# Altium PCB 6502_carrier_ASCII.PcbDoc (part 1 of 2)
Units mil, origin at the board's own origin, x right, y up, seen from the top; angles counter-clockwise.
Board outline 6960 x 3485 mil, 2 copper layers (Top Layer, Bottom Layer); 111 components, 122 nets, 575 pads, 194 vias.
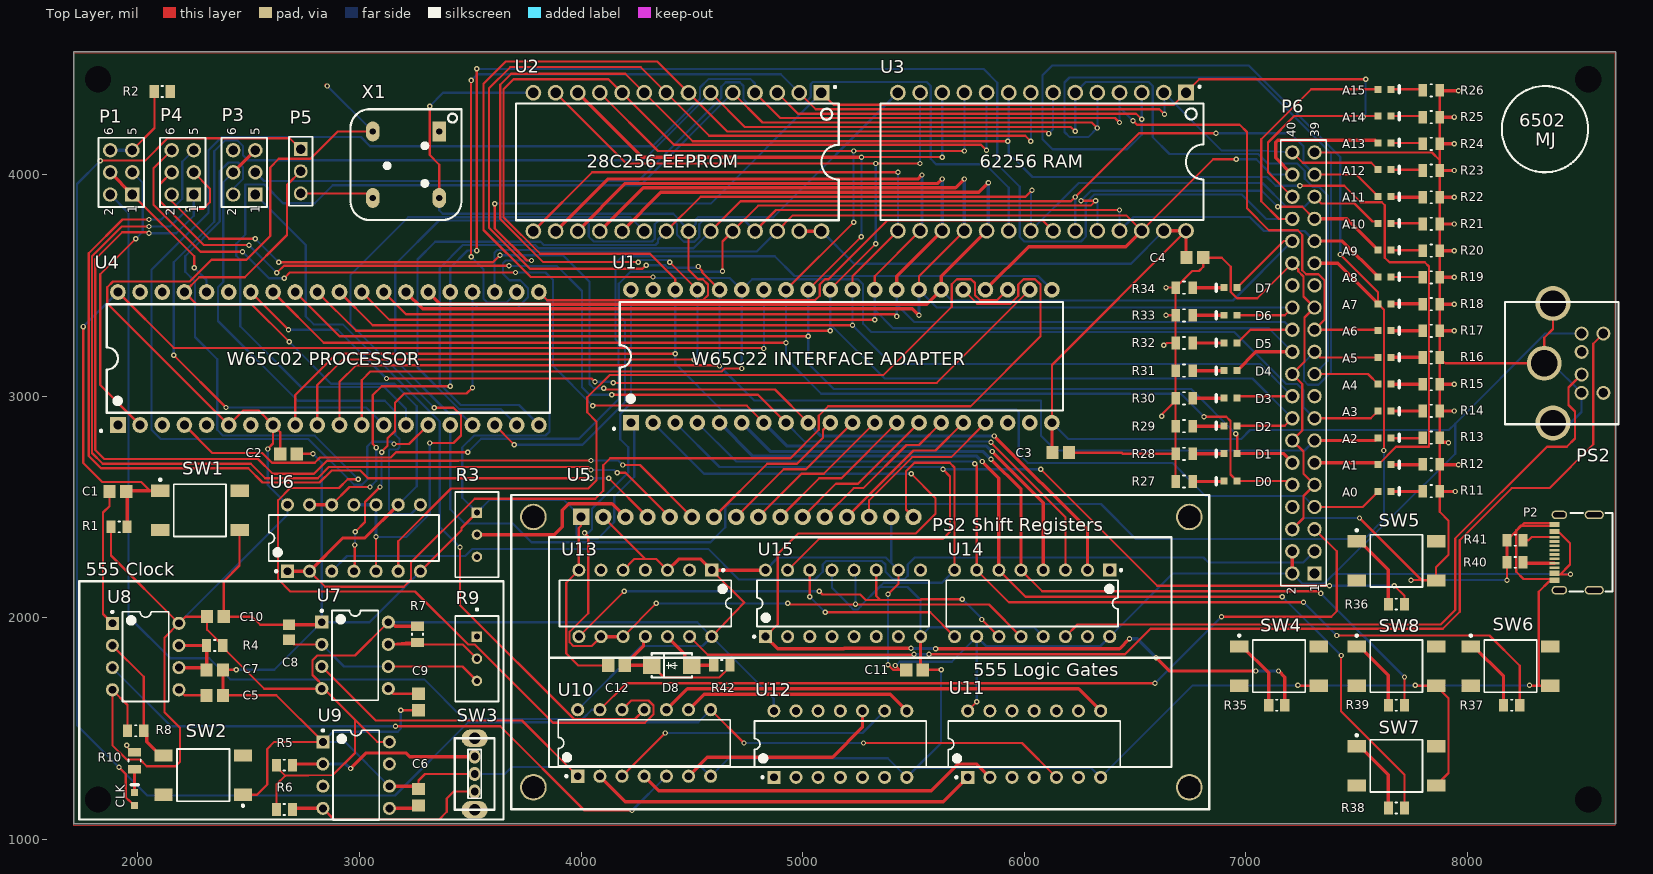
[diagram p0: Top Layer view]
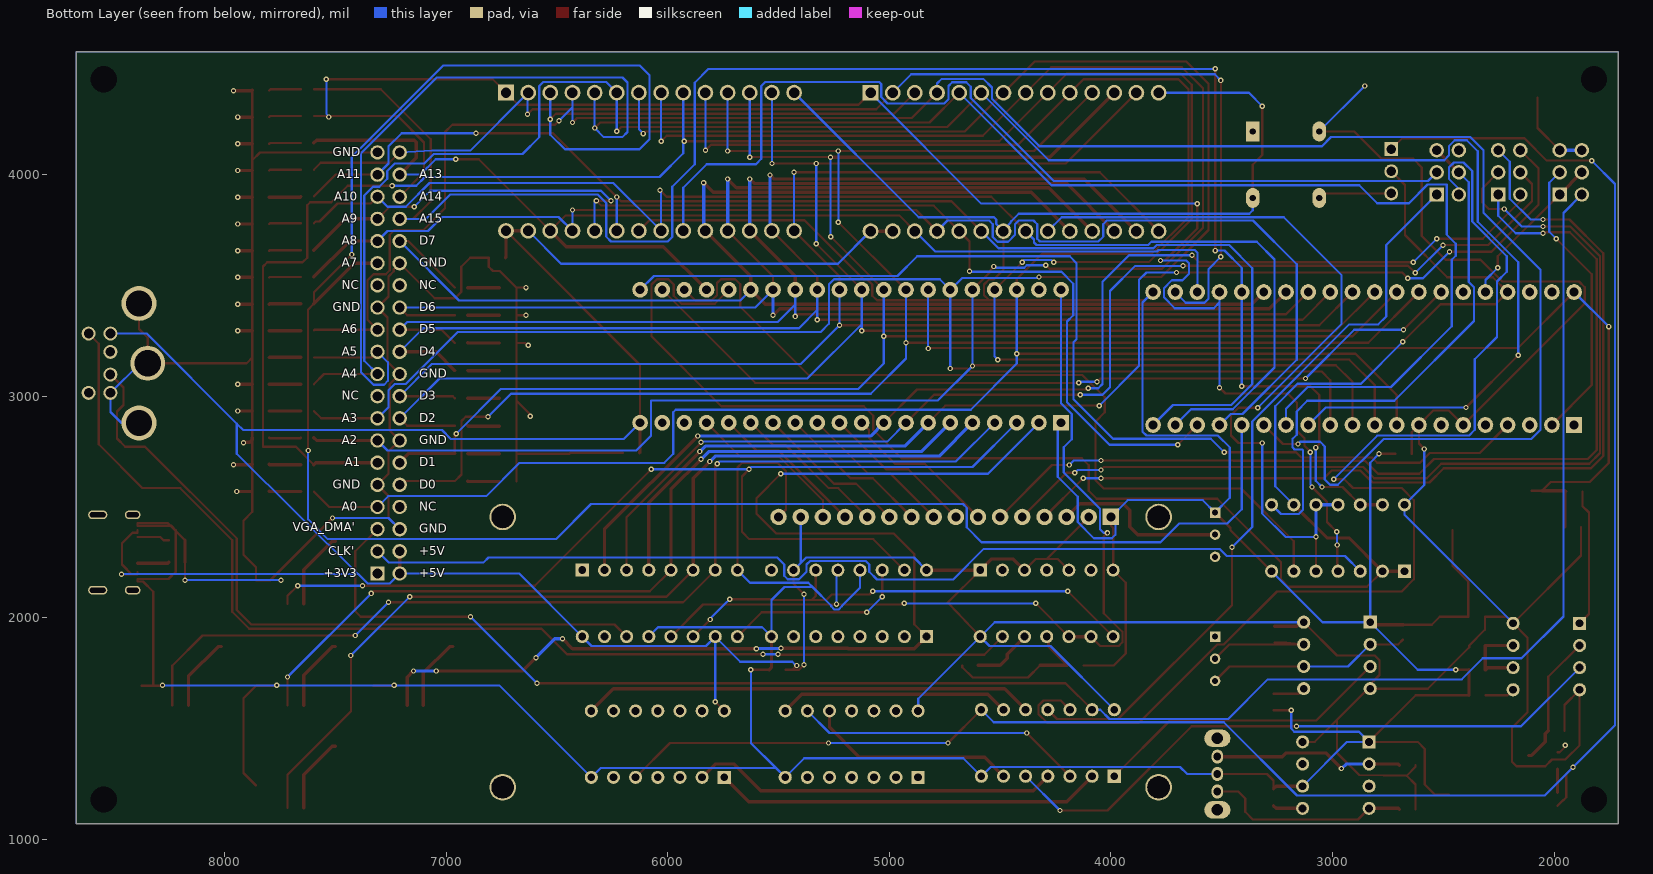
[diagram p1: Bottom Layer view, seen from below]

## Layer stack, top to bottom
Top Solder: solder mask 0.4, Solder Resist, Dk 3.5
Top Layer: signal copper 1.4
Dielectric 1: dielectric 12.6, FR-4, Dk 4.8
Bottom Layer: signal copper 1.4
Bottom Solder: solder mask 0.4, Solder Resist, Dk 3.5

## Board outline
1710,1070 8670,1070 8670,4555 1710,4555

## Design rules (kind name [scope] priority, off if disabled: settings)
AssemblyTestPointUsage [All] p0: scope1count=1 scope1_0_kind=Board scope1_0_value=Board scope2count=1 scope2_0_kind=Board scope2_0_value=Board commentlength=0
AssemblyTestpoint [All] p0: scope1count=1 scope1_0_kind=Board scope1_0_value=Board scope2count=1 scope2_0_kind=Board scope2_0_value=Board commentlength=0
Clearance [All] p0: scope1count=1 scope1_0_kind=Board scope1_0_value=Board scope2count=1 scope2_0_kind=Board scope2_0_value=Board commentlength=0 gap=10
Clearance [All] p1: gap=10 ignorepadtopadclearanceinfootprint=FALSE except(0: Arc-Hole Track-Hole SMDPad-Hole THPad-Hole Via-Hole Fill-Hole Poly-Hole Region-Hole Text-Hole; 5: Arc-Arc Arc-Track Arc-SMDPad Arc-Text Track-Track Track-SMDPad Track-Text SMDPad-SMDPad SMDPad-Text THPad-Text Via-Text Fill-Text Poly-Text Region-Text Text-Text; 7: Arc-THPad Arc-Via Track-THPad Track-Via SMDPad-THPad SMDPad-Via Via-Via)
ComponentClearance [All] p0: scope1count=1 scope1_0_kind=Board scope1_0_value=Board scope2count=1 scope2_0_kind=Board scope2_0_value=Board commentlength=0 gap=10 collisioncheckmode=3
DiffPairsRouting [All] p0: scope1count=1 scope1_0_kind=Board scope1_0_value=Board scope2count=1 scope2_0_kind=Board scope2_0_value=Board commentlength=0
FabricationTestPointUsage [All] p0: scope1count=1 scope1_0_kind=Board scope1_0_value=Board scope2count=1 scope2_0_kind=Board scope2_0_value=Board commentlength=0 valid=0 allowmultiple=FALSE
FabricationTestpoint [All] p0: scope1count=1 scope1_0_kind=Board scope1_0_value=Board scope2count=1 scope2_0_kind=Board scope2_0_value=Board commentlength=0 side=3 testpointundercomponent=TRUE minsize=40 maxsize=100 preferedsize=60 minholesize=0 maxholesize=40 preferedholesize=32 testpointgrid=1
FanoutControl Fanout_BGA [All] p0 off: scope1count=1 scope1_0_kind=Board scope1_0_value=Board scope2count=1 scope2_0_kind=Board scope2_0_value=Board commentlength=69 // Protel DXP Scope 1 Expression Was: IsBGA   Fanout_BGA (Default Rule)
FanoutControl Fanout_LCC [All] p0 off: scope1count=1 scope1_0_kind=Board scope1_0_value=Board scope2count=1 scope2_0_kind=Board scope2_0_value=Board commentlength=69 // Protel DXP Scope 1 Expression Was: IsLCC   Fanout_LCC (Default Rule)
FanoutControl Fanout_SOIC [All] p0 off: scope1count=1 scope1_0_kind=Board scope1_0_value=Board scope2count=1 scope2_0_kind=Board scope2_0_value=Board commentlength=71 // Protel DXP Scope 1 Expression Was: IsSOIC   Fanout_SOIC (Default Rule)
FanoutControl Fanout_Small [All] p0 off: scope1count=1 scope1_0_kind=Board scope1_0_value=Board scope2count=1 scope2_0_kind=Board scope2_0_value=Board commentlength=84 // Protel DXP Scope 1 Expression Was: (CompPinCount < 5)   Fanout_Small (Default Rule)
FanoutControl Fanout_Default [All] p0: scope1count=1 scope1_0_kind=Board scope1_0_value=Board scope2count=1 scope2_0_kind=Board scope2_0_value=Board commentlength=30 // Fanout_Default (Default Rule)
Height [All] p0: scope1count=1 scope1_0_kind=Board scope1_0_value=Board scope2count=1 scope2_0_kind=Board scope2_0_value=Board commentlength=0
HoleSize [All] p0: scope1count=1 scope1_0_kind=Board scope1_0_value=Board scope2count=1 scope2_0_kind=Board scope2_0_value=Board commentlength=0 absolutevalues=TRUE maxlimit=200 minlimit=1 maxpercent=80.000 minpercent=20.000
HoleSize [All] p1: absolutevalues=TRUE maxlimit=200 minlimit=1 maxpercent=80.000 minpercent=20.000
HoleToHoleClearance [All] p0: scope1count=1 scope1_0_kind=Board scope1_0_value=Board scope2count=1 scope2_0_kind=Board scope2_0_value=Board commentlength=0
LayerPairs [All] p0: scope1count=1 scope1_0_kind=Board scope1_0_value=Board scope2count=1 scope2_0_kind=Board scope2_0_value=Board commentlength=0 enforce=TRUE
MinimumSolderMaskSliver [All] p0: scope1count=1 scope1_0_kind=Board scope1_0_value=Board scope2count=1 scope2_0_kind=Board scope2_0_value=Board commentlength=0
MinimumSolderMaskSliver [All] p1: minsoldermaskwidth=4
NetAntennae [All] p0: scope1count=1 scope1_0_kind=Board scope1_0_value=Board scope2count=1 scope2_0_kind=Board scope2_0_value=Board commentlength=0
PasteMaskExpansion [All] p0: scope1count=1 scope1_0_kind=Board scope1_0_value=Board scope2count=1 scope2_0_kind=Board scope2_0_value=Board commentlength=0 expansion=0
PlaneClearance [All] p0: scope1count=1 scope1_0_kind=Board scope1_0_value=Board scope2count=1 scope2_0_kind=Board scope2_0_value=Board commentlength=0 clearance=20
PlaneConnect [All] p0: scope1count=1 scope1_0_kind=Board scope1_0_value=Board scope2count=1 scope2_0_kind=Board scope2_0_value=Board commentlength=0 planeconnectstyle=Relief reliefexpansion=20 reliefentries=4 reliefconductorwidth=10 reliefairgap=10
PolygonConnect [All] p0: scope1count=1 scope1_0_kind=Board scope1_0_value=Board scope2count=1 scope2_0_kind=Board scope2_0_value=Board commentlength=0 connectstyle=Relief reliefconductorwidth=10 reliefentries=4 polygonreliefangle="90 Angle"
PolygonConnect [All] p1: connectstyle=Relief reliefconductorwidth=10 reliefentries=4 polygonreliefangle="90 Angle" airgapwidth=10
RoomDefinition address_LEDs [All] p0: scope1count=1 scope1_0_kind=ComponentClass scope1_0_value=address_LEDs scope2count=1 scope2_0_kind=Board scope2_0_value=Board commentlength=0 region_x1=10000000 region_y1=10050000 region_x2=86700000 region_y2=50100000 confinementstyle=ConfineIn
RoomDefinition config_headers [All] p0: scope1count=1 scope1_0_kind=ComponentClass scope1_0_value=config_headers scope2count=1 scope2_0_kind=Board scope2_0_value=Board commentlength=0 region_x1=13600000 region_y1=18750000 region_x2=74800000 region_y2=49100000 confinementstyle=ConfineIn
RoomDefinition ps2_interface [All] p0: scope1count=1 scope1_0_kind=ComponentClass scope1_0_value=ps2_interface scope2count=1 scope2_0_kind=Board scope2_0_value=Board commentlength=0 region_x1=37750000 region_y1=13650000 region_x2=69900000 region_y2=35200000 confinementstyle=ConfineIn
RoomDefinition 65c02 [All] p0: scope1count=1 scope1_0_kind=ComponentClass scope1_0_value=65c02 scope2count=1 scope2_0_kind=Board scope2_0_value=Board commentlength=0 region_x1=17600000 region_y1=10250000 region_x2=70000000 region_y2=45550000 confinementstyle=ConfineIn
RoomDefinition clock_module [All] p0: scope1count=1 scope1_0_kind=ComponentClass scope1_0_value=clock_module scope2count=1 scope2_0_kind=Board scope2_0_value=Board commentlength=0 region_x1=16350000 region_y1=9900000 region_x2=65050000 region_y2=21400000 confinementstyle=ConfineIn
RoomDefinition address_LEDs [InComponentClass('address_LEDs')] p1: confinementstyle=ConfineIn formatcopy=TRUE lockcomponents=FALSE outline 1000,1005 8670,1005 8670,5010 1000,5010
RoomDefinition config_headers [InComponentClass('config_headers')] p2: confinementstyle=ConfineIn formatcopy=TRUE lockcomponents=FALSE outline 1360,1875 7480,1875 7480,4910 1360,4910
RoomDefinition ps2_interface [InComponentClass('ps2_interface')] p3: confinementstyle=ConfineIn formatcopy=TRUE lockcomponents=FALSE outline 3775,1365 6990,1365 6990,3520 3775,3520
RoomDefinition 65c02 [InComponentClass('65c02')] p4: confinementstyle=ConfineIn formatcopy=TRUE lockcomponents=FALSE outline 1760,1025 7000,1025 7000,4555 1760,4555
RoomDefinition clock_module [InComponentClass('clock_module')] p5: confinementstyle=ConfineIn formatcopy=TRUE lockcomponents=FALSE outline 1635,990 6505,990 6505,2140 1635,2140
RoutingCorners [All] p0: scope1count=1 scope1_0_kind=Board scope1_0_value=Board scope2count=1 scope2_0_kind=Board scope2_0_value=Board commentlength=0 cornerstyle=45-Degree minsetback=100 maxsetback=100
RoutingLayers [All] p0: scope1count=1 scope1_0_kind=Board scope1_0_value=Board scope2count=1 scope2_0_kind=Board scope2_0_value=Board commentlength=0 top layer=Automatic bottom layer=Automatic
RoutingPriority [All] p0: scope1count=1 scope1_0_kind=Board scope1_0_value=Board scope2count=1 scope2_0_kind=Board scope2_0_value=Board commentlength=0
RoutingTopology [All] p0: scope1count=1 scope1_0_kind=Board scope1_0_value=Board scope2count=1 scope2_0_kind=Board scope2_0_value=Board commentlength=0 topology=Shortest
RoutingVias [All] p0: scope1count=1 scope1_0_kind=Board scope1_0_value=Board scope2count=1 scope2_0_kind=Board scope2_0_value=Board commentlength=0 holewidth=12.2 width=24.02 viastyle="Through Hole" minholewidth=12.2 minwidth=24.02 maxholewidth=28 maxwidth=50
RoutingVias [All] p1: holewidth=12.2 width=24.02 viastyle="Through Hole" minholewidth=12.2 minwidth=24.02 maxholewidth=28 maxwidth=50
ShortCircuit [All] p0: scope1count=1 scope1_0_kind=Board scope1_0_value=Board scope2count=1 scope2_0_kind=Board scope2_0_value=Board commentlength=0 allowed=FALSE
SilkToBoardRegionClearance [All] p0: scope1count=1 scope1_0_kind=Board scope1_0_value=Board scope2count=1 scope2_0_kind=Board scope2_0_value=Board commentlength=0
SilkToSilkClearance [All] p0: scope1count=1 scope1_0_kind=Board scope1_0_value=Board scope2count=1 scope2_0_kind=Board scope2_0_value=Board commentlength=0
SilkToSilkClearance [All] p1: silktosilkclearance=4
SilkToSolderMaskClearance [All] p0 off: scope1count=1 scope1_0_kind=Board scope1_0_value=Board scope2count=1 scope2_0_kind=Board scope2_0_value=Board commentlength=44 // Protel DXP Scope 1 Expression Was: IsPad
SilkToSolderMaskClearance [IsPad] p1: minsilkscreentomaskgap=4 clearancetoexposedcopper=TRUE
SolderMaskExpansion SolderMaskExpansion_1 [All] p0 off: scope1count=1 scope1_0_kind=Board scope1_0_value=Board scope2count=1 scope2_0_kind=Board scope2_0_value=Board commentlength=44 expansion=4 // Protel DXP Scope 1 Expression Was: IsVia
SolderMaskExpansion [All] p0: scope1count=1 scope1_0_kind=Board scope1_0_value=Board scope2count=1 scope2_0_kind=Board scope2_0_value=Board commentlength=0 expansion=4
SolderMaskExpansion SolderMaskExpansion_1 [IsVia] p1: expansion=4 istentingtop=TRUE
SolderMaskExpansion [All] p2: expansion=4 istentingtop=FALSE
UnRoutedNet [All] p0: scope1count=1 scope1_0_kind=Board scope1_0_value=Board scope2count=1 scope2_0_kind=Board scope2_0_value=Board commentlength=0
UnpouredPolygon [All] p0: scope1count=1 scope1_0_kind=Board scope1_0_value=Board scope2count=1 scope2_0_kind=Board scope2_0_value=Board commentlength=0
Width [All] p0: scope1count=1 scope1_0_kind=Board scope1_0_value=Board scope2count=1 scope2_0_kind=Board scope2_0_value=Board commentlength=0 maxlimit=30 minlimit=6 preferedwidth=10
Width [All] p1: maxlimit=30 minlimit=6 preferedwidth=10 minimp=50.000000 maximp=50.000000 favimp=50.000000
26 further rules are at their usual default settings.

## Classes and differential pairs
component class ps2_interface: C12 D8 PS2 R42 U13 U14 U15
component class config_headers: P1 P3 P4 P5 P6 R2
component class address_LEDs: A0 A1 A2 A3 A4 A5 A6 A7 A8 A9 A10 A11 A12 A13 A14 A15 D0 D1 D2 D3 D4 D5 D6 D7 P2 R11 R12 R13 R14 R15 R16 R17 R18 R19 R20 R21 R22 R23 R24 R25 R26 R27 R28 R29 R30 R31 R32 R33 R34 R35 R36 R37 R38 R39 R40 R41 SW4 SW5 SW6 SW7 SW8
component class clock_module: C5 C6 C7 C8 C9 C10 C11 R4 R5 R6 R7 R8 R10 SW2 SW3 U7 U8 U9 U10 U11 U12
component class 65c02: C1 C2 C3 C4 R1 R3 SW1 U1 U2 U3 U4 U5 U6 X1

## Components (designator, comment, footprint, x,y, rotation, side; value= is the part's Value field where it differs from the comment)
A0 "19-217/BHC-ZL1M2RY/3T" EVRL-0603-2_V 7626.61,2570 r0 top
A1 "19-217/BHC-ZL1M2RY/3T" EVRL-0603-2_V 7626.61,2691 r0 top
A2 "19-217/BHC-ZL1M2RY/3T" EVRL-0603-2_V 7626.61,2812 r0 top
A3 "19-217/BHC-ZL1M2RY/3T" EVRL-0603-2_V 7626.61,2933 r0 top
A4 "19-217/BHC-ZL1M2RY/3T" EVRL-0603-2_V 7626.61,3054 r0 top
A5 "19-217/BHC-ZL1M2RY/3T" EVRL-0603-2_V 7626.61,3175 r0 top
A6 "19-217/BHC-ZL1M2RY/3T" EVRL-0603-2_V 7626.61,3296 r0 top
A7 "19-217/BHC-ZL1M2RY/3T" EVRL-0603-2_V 7626.61,3417 r0 top
A8 "19-217/BHC-ZL1M2RY/3T" EVRL-0603-2_V 7626.61,3538 r0 top
A9 "19-217/BHC-ZL1M2RY/3T" EVRL-0603-2_V 7626.61,3659 r0 top
A10 "19-217/BHC-ZL1M2RY/3T" EVRL-0603-2_V 7626.61,3780 r0 top
A11 "19-217/BHC-ZL1M2RY/3T" EVRL-0603-2_V 7626.61,3901 r0 top
A12 "19-217/BHC-ZL1M2RY/3T" EVRL-0603-2_V 7626.61,4022 r0 top
A13 "19-217/BHC-ZL1M2RY/3T" EVRL-0603-2_V 7626.61,4143 r0 top
A14 "19-217/BHC-ZL1M2RY/3T" EVRL-0603-2_V 7626.61,4264 r0 top
A15 "19-217/BHC-ZL1M2RY/3T" EVRL-0603-2_V 7626.61,4385 r0 top
C1 "GRM21BR71H104KA01L" CAPC2013X135X45ML10T25 1910,2570 r0 top
C2 "GRM21BR71H104KA01L" CAPC2013X135X45ML10T25 2680,2740 r0 top
C3 "GRM21BR71H104KA01L" CAPC2013X135X45ML10T25 6165,2745 r0 top
C4 "GRM21BR71H104KA01L" CAPC2013X135X45ML10T25 6770,3625 r0 top
C5 "GRM216R71H103KA01D" CAPC2013X70X45ML10T25 2346.61,1650 r180 top
C6 "GRM216R71H103KA01D" CAPC2013X70X45ML10T25 3266.61,1190 r270 top
C7 "GRM21BR71H104KA01L" CAPC2013X135X45ML10T25 2346.61,1765 r0 top
C8 "GRM216R61E105KA12D" CAPC2013X70X45NL10T25 2681.61,1935 r90 top
C9 "GRM216R71H103KA01D" CAPC2013X70X45ML10T25 3266.61,1620 r90 top
C10 "GRM21BR71H104KA01L" CAPC2013X135X45ML10T25 2350,2005 r0 top
C11 "GRM21BR71H104KA01L" CAPC2013X135X45ML10T25 5505,1765 r0 top
C12 "GRM21BR71H104KA01L" CAPC2013X135X45ML10T25 4160,1785 r180 top
CLK "19-217/BHC-ZL1M2RY/3T" EVRL-0603-2_V 1985,1181.61 r90 top (schematic designator DS1)
D0 "19-217/GHC-YR1S2/3T" EVRL-0603-2_V 6931.61,2616.61 r180 top
D1 "19-217/GHC-YR1S2/3T" EVRL-0603-2_V 6931.61,2741.38 r180 top
D2 "19-217/GHC-YR1S2/3T" EVRL-0603-2_V 6931.61,2866.15 r180 top
D3 "19-217/GHC-YR1S2/3T" EVRL-0603-2_V 6931.61,2990.92 r180 top
D4 "19-217/GHC-YR1S2/3T" EVRL-0603-2_V 6931.61,3115.69 r180 top
D5 "19-217/GHC-YR1S2/3T" EVRL-0603-2_V 6931.61,3240.46 r180 top
D6 "19-217/GHC-YR1S2/3T" EVRL-0603-2_V 6931.61,3365.23 r180 top
D7 "19-217/GHC-YR1S2/3T" EVRL-0603-2_V 6931.61,3490 r180 top
D8 "Diode, General Purpose" DO-214AC/SMA 4410,1785 r0 top
P1 "61300621121" 61300621121 1925,4010 r90 top
P2 "USB-310D-B-SU" USB-C-THT 8510,2299.53 r90 top
P3 "61300621121" 61300621121 2480,4010 r90 top
P4 "61300621121" 61300621121 2202.5,4010 r90 top
P5 "61300311121" 61300311121 2735,4015 r270 top
P6 "61304021121" 61304021121 7260,3150 r90 top
PS2 "DS1093-01-PN60" PS2_PORT 8411.7,3148.9 r270 top
R1 "CRCW08051K00FKEA" RESC2013X50X30NL20T20 1915,2410 r0 top
R2 "CRCW08051K00FKEA" RESC2013X50X30NL20T20 2110,4375 r180 top
R3 "3296W-1-103RLF" FP-3296W-MFG#1 3530.2,2375 r180 top
R4 "CRCW08051M00JNEA" RESC2013X50X30NL20T20 2346.61,1875 r180 top
R5 "CRCW08051K00FKEA" RESC2013X50X30NL20T20 2661.61,1335 r180 top
R6 "CRCW08051K00FKEA" RESC2013X50X30NL20T20 2661.61,1135 r180 top
R7 "CRCW08051K00FKEA" RESC2013X50X30NL20T20 3261.61,1925 r270 top
R8 "CRCW08051K00FKEA" RESC2013X50X30NL20T20 1990,1490 r180 top
R9 "3296W-1-105LF" FP-3296W-MFG#2 3530.2,1815 r90 top
R10 "CRCW0805220RFKEA" FP-CRCW0805-e3-MFG 1985,1355 r90 top
R11 "CRCW0805220RFKEA" FP-CRCW0805-e3-MFG 7836.61,2571.62 r0 top
R12 "CRCW0805220RFKEA" FP-CRCW0805-e3-MFG 7836.61,2692.18 r0 top
R13 "CRCW0805220RFKEA" FP-CRCW0805-e3-MFG 7836.61,2812.73 r0 top
R14 "CRCW0805220RFKEA" FP-CRCW0805-e3-MFG 7836.61,2933.29 r0 top
R15 "CRCW0805220RFKEA" FP-CRCW0805-e3-MFG 7836.61,3053.85 r0 top
R16 "CRCW0805220RFKEA" FP-CRCW0805-e3-MFG 7836.61,3174.41 r0 top
R17 "CRCW0805220RFKEA" FP-CRCW0805-e3-MFG 7836.61,3294.97 r0 top
R18 "CRCW0805220RFKEA" FP-CRCW0805-e3-MFG 7836.61,3415.53 r0 top
R19 "CRCW0805220RFKEA" FP-CRCW0805-e3-MFG 7836.61,3536.09 r0 top
R20 "CRCW0805220RFKEA" FP-CRCW0805-e3-MFG 7836.61,3656.65 r0 top
R21 "CRCW0805220RFKEA" FP-CRCW0805-e3-MFG 7836.61,3777.21 r0 top
R22 "CRCW0805220RFKEA" FP-CRCW0805-e3-MFG 7836.61,3897.76 r0 top
R23 "CRCW0805220RFKEA" FP-CRCW0805-e3-MFG 7836.61,4018.32 r0 top
R24 "CRCW0805220RFKEA" FP-CRCW0805-e3-MFG 7836.61,4138.88 r0 top
R25 "CRCW0805220RFKEA" FP-CRCW0805-e3-MFG 7836.61,4259.44 r0 top
R26 "CRCW0805220RFKEA" FP-CRCW0805-e3-MFG 7836.61,4380 r0 top
R27 "CRCW0805220RFKEA" FP-CRCW0805-e3-MFG 6721.61,2615 r180 top
R28 "CRCW0805220RFKEA" FP-CRCW0805-e3-MFG 6721.61,2740 r180 top
R29 "CRCW0805220RFKEA" FP-CRCW0805-e3-MFG 6721.61,2865 r180 top
R30 "CRCW0805220RFKEA" FP-CRCW0805-e3-MFG 6721.61,2990 r180 top
R31 "CRCW0805220RFKEA" FP-CRCW0805-e3-MFG 6721.61,3115 r180 top
R32 "CRCW0805220RFKEA" FP-CRCW0805-e3-MFG 6721.61,3240 r180 top
R33 "CRCW0805220RFKEA" FP-CRCW0805-e3-MFG 6721.61,3365 r180 top
R34 "CRCW0805220RFKEA" FP-CRCW0805-e3-MFG 6721.61,3490 r180 top
R35 "CRCW08051K00FKEA" RESC2013X50X30NL20T20 7139.53,1605 r180 top
R36 "CRCW08051K00FKEA" RESC2013X50X30NL20T20 7679.53,2061.77 r180 top
R37 "CRCW08051K00FKEA" RESC2013X50X30NL20T20 8199.53,1605 r180 top
R38 "CRCW08051K00FKEA" RESC2013X50X30NL20T20 7679.53,1141.77 r180 top
R39 "CRCW08051K00FKEA" RESC2013X50X30NL20T20 7679.53,1605 r180 top
R40 "0805W8F5101T5E" RESC2013X50X30NL20T20 8215,2250 r0 top
R41 "0805W8F5101T5E" RESC2013X50X30NL20T20 8215,2350 r0 top
R42 "0805W8F3302T5E" RESC2013X50X30NL20T20 4635,1785 r0 top
SW1 "K2-1102SP-C4SC-04" TECO-FSM4JSMA_V 2280,2485 r90 top
SW2 "K2-1102SP-C4SC-04" TECO-FSM4JSMA_V 2295,1290 r270 top
SW3 "SS-12D02-VG4" 5_2-54mm_SPDT 3520,1295 r270 top
SW4 "K2-1102SP-C4SC-04" TECO-FSM4JSMA_V 7149.53,1781.77 r90 top
SW5 "K2-1102SP-C4SC-04" TECO-FSM4JSMA_V 7679.53,2256.77 r90 top
SW6 "K2-1102SP-C4SC-04" TECO-FSM4JSMA_V 8194.53,1781.77 r90 top
SW7 "K2-1102SP-C4SC-04" TECO-FSM4JSMA_V 7679.53,1331.77 r90 top
SW8 "K2-1102SP-C4SC-04" TECO-FSM4JSMA_V 7679.53,1781.77 r90 top
U1 "WD65C22 I/O Controller" PDIP_40 5173.82,3193.39 r0 top
U2 "AT28C256" DIP_28 4456.18,4065.45 r180 top
U3 "62256" DIP_28 6101.18,4066.47 r180 top
U4 "6502 Processor" PDIP_40 2858.82,3183.39 r0 top
U5 "2X16 LCD Display" LCD_2x16 5225,1775 r0 top
U6 "74HC00N" NXP-SOT27-1-14 2975,2360 r90 top
U7 "LM555CN" N08E 2980,1830 r0 top
U8 "LM555CN" N08E 2035,1825 r0 top
U9 "LM555CN" N08E 2985,1290 r0 top
U10 "SN74LS08N" N0014A 4285,1435 r90 top
U11 "SN74LS04N" N0014A 6045,1430 r90 top
U12 "SN74LS32N" N0014A 5170,1430 r90 top
U13 "SN74HC14N" N0014A 4290,2065 r270 top
U14 "SN74HC595N" N0016A 6035.71,2065 r270 top
U15 "SN74HC595N" N0016A 5182.15,2065 r90 top
X1 "OSC-12.9MM-1MHZ" OSC_THT_12-9MM 3205,4040 r180 top

## Footprints (in the part's own frame and the unit in brackets; to place one, negate y for a bottom-side part, rotate by r counter-clockwise, add the part's x,y. Pads: shape width x height; smd on the part's side, far side on the other; paste and mask are expansions set on the pad)
5_2-54mm_SPDT [mm]
  oval 1.6x1.3 hole 0.9: 1(-1.993,0) 2(0,0) 3(2.007,0)
  oval 2x3 hole 1.3: 4(4.107,0) 5(-4.093,0)
  silkscreen extent -4.09,-2.29 4.11,2.29
61300311121 [mm] "Pin Header, pitch 2.54 mm, THT, Vertical, single row, 3p"
  rect 1.6x1.6 hole 1.1: 1(-2.54,0)
  round 1.6 hole 1.1: 2(0,0) 3(2.54,0)
  silkscreen extent -3.96,-1.34 3.96,1.34
61300621121 [mm] "Pin Header, pitch 2.54 mm, THT, Vertical, dual row, 6p"
  rect 1.65x1.65 hole 1.1: 1(-2.54,-1.27)
  round 1.65 hole 1.1: 2(-2.54,1.27) 3(0,-1.27) 4(0,1.27) 5(2.54,-1.27) 6(2.54,1.27)
  silkscreen extent -3.96,-2.61 3.96,2.61
61304021121 [mm] "Pin Header, pitch 2.54 mm, THT, Vertical, dual row, 40p"
  rect 1.65x1.65 hole 1.1: 1(-24.13,-1.27)
  round 1.65 hole 1.1: 2(-24.13,1.27) 3(-21.59,-1.27) 4(-21.59,1.27) 5(-19.05,-1.27) 6(-19.05,1.27) 7(-16.51,-1.27) 8(-16.51,1.27) 9(-13.97,-1.27) 10(-13.97,1.27) 11(-11.43,-1.27) 12(-11.43,1.27) 13(-8.89,-1.27) 14(-8.89,1.27) 15(-6.35,-1.27) 16(-6.35,1.27) 17(-3.81,-1.27) 18(-3.81,1.27) 19(-1.27,-1.27) 20(-1.27,1.27) 21(1.27,-1.27) 22(1.27,1.27) 23(3.81,-1.27) 24(3.81,1.27) 25(6.35,-1.27) 26(6.35,1.27) 27(8.89,-1.27) 28(8.89,1.27) 29(11.43,-1.27) 30(11.43,1.27) 31(13.97,-1.27) 32(13.97,1.27) 33(16.51,-1.27) 34(16.51,1.27) 35(19.05,-1.27) 36(19.05,1.27) 37(21.59,-1.27) 38(21.59,1.27) 39(24.13,-1.27) 40(24.13,1.27)
  silkscreen extent -25.55,-2.61 25.55,2.61
CAPC2013X70X45ML10T25 [mm] "Chip Capacitor, 2-Leads, Body 2.00x1.25mm, IPC Low Density"
  rect 1.4x1.5 smd: 1(-0.95,0) 2(0.95,0)
CAPC2013X70X45NL10T25 [mm] "Chip Capacitor, 2-Leads, Body 2.00x1.25mm, IPC Medium Density"
  rect 1.2x1.4 smd: 1(-0.85,0) 2(0.85,0)
CAPC2013X135X45ML10T25 [mm] "Chip Capacitor, 2-Leads, Body 2.10x1.35mm, IPC Low Density"
  rect 1.4x1.5 smd: 1(-0.95,0) 2(0.95,0)
DIP_28 [mm]
  rect 1.8x1.8 hole 1.2: 1(-15.972,-7.71)
  round 1.8 hole 1.2: 2(-13.432,-7.71) 3(-10.892,-7.71) 4(-8.352,-7.71) 5(-5.812,-7.71) 6(-3.272,-7.71) 7(-0.732,-7.71) 8(1.808,-7.71) 9(4.348,-7.71) 10(6.888,-7.71) 11(9.428,-7.71) 12(11.968,-7.71) 13(14.508,-7.71) 14(17.048,-7.71) 15(17.048,8.139) 16(14.508,8.139) 17(11.968,8.139) 18(9.428,8.139) 19(6.888,8.139) 20(4.348,8.139) 21(1.808,8.139) 22(-0.732,8.139) 23(-3.272,8.139) 24(-5.812,8.139) 25(-8.352,8.139) 26(-10.892,8.139) 27(-13.432,8.139) 28(-15.972,8.139)
  silkscreen extent -17.96,-8.51 19.04,6.91
DO-214AC/SMA [mm]
  rect 2x2 smd: 1(-2.302,0.003) 2(2.298,0.003)
  silkscreen extent -2.3,-1.4 2.3,1.4
EVRL-0603-2_V [mm] "SMD, 2-Leads, Body 1.6x0.8mm"
  rect 0.8x0.8 smd: 1(-0.75,0) 2(0.75,0)
  silkscreen extent 1.65,-0.4 1.65,0.4
FP-3296W-MFG#1 [mm]
  rect 1.2x1.2 hole 0.7 paste-1000 mask+0: 1(0.005,-2.54)
  round 1.2 hole 0.7 paste-1000 mask+0: 2(0.005,0) 3(0.005,2.54)
  silkscreen extent -2.48,-4.89 2.48,4.89
FP-3296W-MFG#2 [mm]
  rect 1.2x1.2 hole 0.7 paste-1000 mask+0: 1(2.54,0.005)
  round 1.2 hole 0.7 paste-1000 mask+0: 2(0,0.005) 3(-2.54,0.005)
  silkscreen extent -4.89,-2.48 5.77,2.48
FP-CRCW0805-e3-MFG [mm]
  rect 0.95x1.45 smd paste+0 mask+0: 1(-0.975,0) 2(0.975,0)
  silkscreen extent -0.13,-0.7 0.13,0.7
LCD_2x16 [mil]
  round 120 hole 100 slot 100.2 at 0 deg: 0(-1440,-540) 0(-1440,680) 0(1520,-540) 0(1520,680)
  rect 74x74 hole 40: 1(-1225,680)
  round 74 hole 40: 2(-1125,680) 3(-1025,680) 4(-925,680) 5(-825,680) 6(-725,680) 7(-625,680) 8(-525,680) 9(-425,680) 10(-325,680) 11(-225,680) 12(-125,680) 13(-25,680) 14(75,680) 15(175,680) 16(275,680)
  silkscreen extent -1540,-639 1610,779
N08E [mm] "DIP, 8-Pin, Row Spacing 7.62 mm, Pitch 2.54 mm"
  rect 1.5x1.5 hole 0.9: 1(-3.81,3.81)
  round 1.5 hole 0.9: 2(-3.81,1.27) 3(-3.81,-1.27) 4(-3.81,-3.81) 5(3.81,-3.81) 6(3.81,-1.27) 7(3.81,1.27) 8(3.81,3.81)
  silkscreen extent -3.93,-5.15 2.65,5.23
N0014A [mm] "DIP, 14-Leads, Body 19.7x6.6mm, Pitch 2.54mm"
  rect 1.5x1.5 hole 0.9: 1(-3.81,7.62)
  round 1.5 hole 0.9: 2(-3.81,5.08) 3(-3.81,2.54) 4(-3.81,0) 5(-3.81,-2.54) 6(-3.81,-5.08) 7(-3.81,-7.62) 8(3.81,-7.62) 9(3.81,-5.08) 10(3.81,-2.54) 11(3.81,0) 12(3.81,2.54) 13(3.81,5.08) 14(3.81,7.62)
  silkscreen extent -3.93,-9.85 2.65,9.85
N0016A [mm] "DIP, 16-Leads, Body 19.7x6.6mm, Pitch 2.54mm"
  rect 1.5x1.5 hole 0.9: 1(-3.81,8.89)
  round 1.5 hole 0.9: 2(-3.81,6.35) 3(-3.81,3.81) 4(-3.81,1.27) 5(-3.81,-1.27) 6(-3.81,-3.81) 7(-3.81,-6.35) 8(-3.81,-8.89) 9(3.81,-8.89) 10(3.81,-6.35) 11(3.81,-3.81) 12(3.81,-1.27) 13(3.81,1.27) 14(3.81,3.81) 15(3.81,6.35) 16(3.81,8.89)
  silkscreen extent -3.93,-9.85 2.65,10.32
NXP-SOT27-1-14 [mm] "DIP, 14-Leads, Body 19.5x6.5mm, Pitch 2.54mm"
  rect 1.5x1.5 hole 0.9: 1(-3.81,7.62)
  round 1.5 hole 0.9: 2(-3.81,5.08) 3(-3.81,2.54) 4(-3.81,0) 5(-3.81,-2.54) 6(-3.81,-5.08) 7(-3.81,-7.62) 8(3.81,-7.62) 9(3.81,-5.08) 10(3.81,-2.54) 11(3.81,0) 12(3.81,2.54) 13(3.81,5.08) 14(3.81,7.62)
  silkscreen extent -3.93,-9.75 2.65,9.75
OSC_THT_12-9MM [mil]
  rect 62x90 hole 27.56: 1(-155,-155)
  oval 62x90 hole 27.56: 2(145,-155) 3(145,145) 4(-155,145)
  silkscreen extent -255,-255 245,245
PDIP_40 [mm]
  rect 1.8x1.8 hole 1: 1(-24.1,-7.96)
  round 1.8 hole 1: 2(-21.56,-7.96) 3(-19.02,-7.96) 4(-16.48,-7.96) 5(-13.94,-7.96) 6(-11.4,-7.96) 7(-8.86,-7.96) 8(-6.32,-7.96) 9(-3.78,-7.96) 10(-1.24,-7.96) 11(1.3,-7.96) 12(3.84,-7.96) 13(6.38,-7.96) 14(8.92,-7.96) 15(11.46,-7.96) 16(14,-7.96) 17(16.54,-7.96) 18(19.08,-7.96) 19(21.62,-7.96) 20(24.16,-7.96) 21(24.16,7.28) 22(21.62,7.28) 23(19.08,7.28) 24(16.54,7.28) 25(14,7.28) 26(11.46,7.28) 27(8.92,7.28) 28(6.38,7.28) 29(3.84,7.28) 30(1.3,7.28) 31(-1.24,7.28) 32(-3.78,7.28) 33(-6.32,7.28) 34(-8.86,7.28) 35(-11.4,7.28) 36(-13.94,7.28) 37(-16.48,7.28) 38(-19.02,7.28) 39(-21.56,7.28) 40(-24.1,7.28)
  silkscreen extent -26.16,-8.76 25.43,5.88
PS2_PORT [mm]
  round 1.6 hole 1.1: 1(1.3,2.629) 2(-1.3,2.629) 3(3.401,2.624) 4(-3.401,2.624) 5(3.399,5.128) 6(-3.401,5.128)
  round 4 hole 3: 7(0,-1.651) 8(-6.85,-0.653) 9(6.85,-0.653)
  silkscreen extent -7,-6.15 7,6.85
RESC2013X50X30NL20T20 [mm] "Chip Resistor, 2-Leads, Body 2.00x1.25mm, IPC Medium Density"
  rect 1.05x1.45 smd: 1(-0.925,0) 2(0.925,0)
  silkscreen extent -0.1,-0.62 0.1,0.62
TECO-FSM4JSMA_V [mm] "SMD, 4-Leads, Body 6x6mm, Pitch 4.5mm"
  rect 1.4x2.1 smd: 1(2.25,4.55) 2(2.25,-4.55) 3(-2.25,4.55) 4(-2.25,-4.55)
  silkscreen extent -3,-3 3.62,4.67
USB-C-THT [mm]
  oval 1x1.8 hole 0.6 slot 1.4 at 90 deg: 13(4.195,2.413) 16(-4.445,2.413)
  oval 1x2.2 hole 0.6 slot 1.8 at 90 deg: 14(4.195,-1.587) 15(-4.445,-1.587)
  rect 0.3x1.15 smd: A1(-3.46,2.988) A1(-3.16,2.988) A4(-2.66,2.988) A4(-2.36,2.988) A5(-1.36,2.988) A6(-0.36,2.988) A6(0.64,2.988) A7(-0.86,2.988) A7(0.14,2.988) A8(1.14,2.988) A9(2.14,2.988) A9(2.44,2.988) A12(2.94,2.988) A12(3.24,2.988) B5(1.64,2.988) B8(-1.86,2.988)
  silkscreen extent -4.61,-3.69 4.39,1.26

## Part data
A0 A1 A2 A3 A4 A5 A6 A7 A8 A9 A10 A11 A12 A13 A14 A15 CLK: library part CMP-2100-03577-1, "Chip LED, Blue, 5 V, 25 mA, -40 to 85 degC, 2-Pin SMD (0603), RoHS, Tape and Reel"
C1 C2 C3 C4 C7 C10 C11 C12: library part CMP-2100-03644-1, "Chip Capacitor, 0.1 uF, +/- 10%, 50 V, -55 to 125 degC, 0805 (2012 Metric), RoHS, Tape and Reel"
C5 C6 C9: library part CMP-2000-05013-1, "Chip Capacitor, 10 nF, +/- 10%, 50 V, -55 to 125 degC, 0805 (2012 Metric), RoHS, Tape and Reel"
C8: library part CMP-2007-00957-1
D0 D1 D2 D3 D4 D5 D6 D7: library part CMP-2100-03580-1, "Green 520~535nm 0603 Light Emitting Diodes (LED) RoHS"
D8: library part C95872, "General Purpose Diode, SMT, DO-214"
P1 P3 P4: library part CMP-1502-01072-1, "THT Vertical Pin Header WR-PHD, Pitch 2.54 mm, Dual Row, 6 pins"
P2: "USB Type C Receptacle"
P5: library part CMP-1502-01062-1, "THT Vertical Pin Header WR-PHD, Pitch 2.54 mm, Single Row, 3 pins"
P6: library part CMP-1502-01135-1, "THT Vertical Pin Header WR-PHD, Pitch 2.54 mm, Dual Row, 40 pins"
PS2: library part PS2_CONN, "PS2 Port"
R1 R2 R5 R6 R7 R8 R35 R36 R37 R38 R39: library part CMP-1013-00510-2
R3: library part CMP-07234-000024-1, "TRIMMER 10K OHM 0.5W PC PIN TOP"
R4: library part CMP-2001-03632-1
R9: library part CMP-2000-05583-2, "TRIMMER 1M OHM 0.5W PC PIN TOP"
R10 R11 R12 R13 R14 R15 R16 R17 R18 R19 R20 R21 R22 R23 R24 R25 R26 R27 R28 R29 R30 R31 R32 R33 R34: library part CMP-2001-03682-2, "RES Thick Film, 220O, 1%, 0.125W, 100ppm/°C, 0805"
R40 R41: library part CMP-1013-00510-2, "5.1kO ±1% 0.125W ±100ppm/? 0805 Chip Resistor - Surface Mount RoHS"
R42: library part CMP-1013-00510-2, "33K, 0805 Chip Resistor, UniOhm"
SW1 SW2 SW4 SW5 SW6 SW7 SW8: library part CMP-2000-05602-2, "Swicth, SPST, 24 V, -35 to 85 degC, 4-Pin SMD, RoHS, Tape and Reel"
SW3: "SPDT, Korean Hroparts Elec SS-12D02-VG4"
U1: library part WD65C22, "WD65C22 PDIP-40, I/O Controller"
U2: "Paged Parallel EEPROM AT28C256"
U3: "32K x 8, SRAM"
U4: library part WDC65C02, "WDC 6502 PDIP-40"
U5: library part LCM1602C, "2X16 LCD Display, Parallel input"
U6: library part CMP-0976-00001-1, "Quad 2-input NAND gate, CMOS, 2 to 6 V, -40 to 125 degC, 14-Pin DIP (SOT27-1), RoHS, Bulk"
U7 U8 U9: library part CMP-0056-00017-2, "Timer, 8-pin MDIP"
U10: library part CMP-0777-00259-3, "Quadruple 2-Input Positive-AND Gates, N0014A, TUBE"
U11: library part CMP-1615-00911-2, "Hex inverters, N0014A, TUBE"
U12: library part CMP-1573-00145-3, "Quad 2-input positive-OR gates, N0014A, TUBE"
U13: library part CMP-1615-00889-3, "Hex Schmitt-Trigger Inverters, N0014A, TUBE"
U14 U15: library part CMP-0780-00137-3, "8-Bit Shift Registers With 3-State Output Registers, N0016A, TUBE"
X1: "12.9MM x 12.9MM, 1MHz Can Oscillator"

## Free pads (board coordinates)
  round 60 hole 118.11: 2(1820,1180) 2(1820,4430) 2(8545,1180) 2(8545,4430)

## Via types
v1: diameter 24.02, hole 12.2, Top Layer to Bottom Layer, tented both sides, 194 vias

## Nets (pads, with @x,y where several pads share a name; then routed paths per layer and width w, separated by ;. In a path a pad name is that pad's centre, name@x,y a point inside that pad or via, vN(x,y) a via of type N, cw(c..) or ccw(c..) an arc to the next point about the centre after c; other vN are vias at no path point)
+3V3: P6.1
+5: C2.1 C3.1 C4.1 C10.1 C11.1 P2.A4 P2.A9 P6.2 P6.4 PS2.4 R1.1 R2.1 R4.1 R5.2 R6.2 R7.1 R8.2 U1.20 U2.27 U2.28 U3.27 U3.28 U4.6 U4.8 U5.2 U5.15 U6.14 U7.4 U7.8 U8.4 U8.8 U9.8 U10.14 U11.14 U12.14 U13.1 U13.3 U13.5 U13.14 U14.10 U14.16 U15.10 U15.16 X1.2 | length 25475.6
  Top Layer w10: R1.1@1878.58,2410 1878.58,2281.42 U8.8@2185,1975 ; R8.2@1953.58,1490 1953.58,1606.42 U8.4@1885,1675 1885,1425 1946.46,1363.54 1950,1360 2010,1360 2040,1330 2170,1330 2190,1350 2190,1504 2120,1574 2120,1910 U8.8@2185,1975 ; v1(2586,2762) 2610,2786 U4.8@2610,2870 ; R6.2@2625.2,1135 2625.2,1248 2664.76,1287.56 ; R5.2@2625.2,1335 2625.2,1327.13 2664.76,1287.56 ; C2.1@2642.6,2740 2642.6,2837.4 U4.8@2610,2870 ; U7.4@2845,1678.27 2845,1680 U7.4@2840,1680 ; v1@2846.21,4405 2851.21,4400 v1(2855,4400) ; U7.4@2847.5,1682.5 2788,1742 2788,1808 2810,1830 2980,1830 U7.8@3130,1980 ; X1.2@3060,4195 2903,4195 2779,4071 2636,4071 2597,4032 2597,3723 2490,3616 2332,3616 2234,3518 1888,3518 1862,3492 1862,3418 U4.6@2410,2870 2475,2935 2545,2935 U4.8@2610,2870 ; U9.8@3135,1440 3080,1440 2980,1540 ; U5.2@4100,2455 4290,2265 ; U13.5@4190,2215 4240,2265 4290,2265 ; U13.3@4390,2215 4340,2265 4290,2265 ; U13.14@4590,1915 4736,2069 U13.1@4590,2215 ; v1(5385,1788.23) 5408.23,1765 5438,1765 ; v1(5385,2106.51) 5432.15,2153.65 U15.10@5432.15,2215 ; v1(5418,1785) 5438,1765 ; C11.1@5467.6,1765 5438,1765 ; U11.14@5745,1580 v1(5785.71,1620.71) ; U1.20@6125,2880 6125,3141.02 U3.28@6730,3746.02 ; P2.A4@8392.37,2206.61 P2.A4@8392.37,2194.79 8417.79,2194.79 ; P2.A9@8392.37,2395.59 P2.A9@8392.37,2383.78 8416,2383.78 8463,2336.78 8463,2240 8417.79,2194.79 ; v1(8465,2197) 8462.79,2194.79 8417.79,2194.79 ; U8.8@2185,1975 2215,2005 C10.1@2312.6,2005 2312.6,1945.43 R4.1@2383.03,1875 2383.03,1867.13 2570.16,1680 U7.4@2830,1680 U7.4@2840,1680 ; 2664.76,1287.56 2880,1290 2980,1390 2980,1540 ; U7.4@2840,1680 2980,1540
  Top Layer w15: U7.8@3130,1980 3141.92,1980 3160.5,1961.42 R7.1@3261.61,1961.42 ; U13.3@4390,2215 4440,2265 4540,2265 U13.1@4590,2215 U15.16@4832.15,2215 ; U2.27@4985,3745 U2.28@5085,3745 ; U1.20@6125,2880 6125,2747.6 C3.1@6127.6,2745 ; U3.27@6630,3746.02 U3.28@6730,3746.02 6730,3627.6 C4.1@6732.6,3625 ; P6.2@7210,2200 P6.4@7210,2300
  Bottom Layer w10: U8.8@2185,1975 2675,2465 U6.14@2675,2510 2586,2599 v1(2586,2762) ; v1(2855,4400) X1.2@3060,4195 ; U7.8@3130,1980 4525,1980 U13.14@4590,1915 ; U10.14@3985,1585 4273,1873 4548,1873 U13.14@4590,1915 ; U15.16@4832.15,2215 4888.67,2271.53 5375.62,2271.53 5400,2247.15 ; U12.14@4870,1580 4870,1635 U13.14@4590,1915 ; U2.28@5085,3745 5232,3598 6481.98,3598 U3.27@6630,3746.02 ; v1(5385,1788.23) v1(5385,2106.51) ; U5.15@5400,2455 5400,2247.15 ; v1(5418,1785) 5421.79,1785 5438.62,1801.82 5672.53,1801.82 U14.10@5785.71,1915 ; U15.10@5432.15,2215 5400,2247.15 ; v1(5785.71,1620.71) U14.10@5785.71,1915 ; U1.20@6125,2880 6198.01,2806.99 6979.01,2806.99 7019.02,2847 7916,2847 7945,2876 ; v1(8465,2197) 7397,2197 ; PS2.4@8515,3282.8 8351.8,3282.8 7945,2876 ; U14.10@5785.71,1915 5827.71,1873 6343.71,1873 U14.16@6385.71,1915 6670.71,2200 P6.2@7210,2200 7255,2155 7353.61,2155 7395.61,2197 7397,2197 ; 7397,2197 7945,2740 7945,2876
A0: A0.1 P6.7 U1.38 U2.10 U3.10 U4.9 | length 9947.1
  Top Layer w10: U4.9@2710,2870 2710,3005 2896.51,3191.51 v1(4425,3191.51) ; U1.38@4425,3480 4425,3528.6 4311.04,3642.56 3815.27,3642.56 3650.01,3807.82 3650.01,4385.01 3695,4430 4123.98,4430 U2.10@4185,4368.98 4418.98,4135 5805,4135 v1(5830,4110) ; P6.7@7310,2500 7527.08,2500 A0.1@7597.09,2570
  Bottom Layer w10: U1.38@4425,3480 v1(4425,3191.51) 4425,3147 4633,2939 5964,2939 5975,2928 5975,2740 6016,2699 6669,2699 6819,2549 7261,2549 P6.7@7310,2500 ; v1(5830,4110) U3.10@5830,4370
A1: A1.1 P6.11 U1.37 U2.9 U3.9 U4.10 | length 10228.3
  Top Layer w10: U4.10@2810,2870 2810,3050 2925,3165 v1(4511.11,3165) ; v1(4258.74,3605) 3829.97,3605 3635.01,3799.96 3635.01,4405.01 3685,4455 4198.98,4455 U2.9@4285,4368.98 4503.98,4150 v1(5925,4150) ; v1(4400,3605) U1.37@4525,3480 ; v1(7244,3950) 7444,3950 7519,3875 7614,3875 7627,3862 7627,3625 7648,3604 7808,3604 7827,3585 7827,2772 7678.08,2772 A1.1@7597.09,2691
  Top Layer w15: P6.11@7310,2700 7588.09,2700 A1.1@7597.09,2691
  Bottom Layer w10: v1(4258.74,3605) 4268.78,3615.03 4389.97,3615.03 v1(4400,3605) ; v1(4511.11,3165) 4525,3178.89 U1.37@4525,3480 ; v1(5925,4150) 5927.68,4152.68 5927.68,4162.68 5930,4165 ; U3.9@5930,4370 5930,4165 ; v1(7244,3950) 7135,3950 7095.96,3989.04 6036.96,3989.04 5930,4096 5930,4150 5930,4160 5930,4165
A2: A2.1 P6.13 U1.36 U2.8 U3.8 U4.11 | length 10182
  Top Layer w10: U4.11@2910,2870 2910,3065 2985,3140 v1@4623.49,3140 ; v1(4293.65,3591.02) 4277.65,3575.02 3769.54,3575.02 3585,3759.56 3585,4390 3680,4485 4268.98,4485 U2.8@4385,4368.98 4578.98,4175 6005,4175 v1(6030,4150) ; v1(4528.55,3585.46) 4528.55,3583.52 4546.68,3565.39 4546.68,3558.32 U1.36@4625,3480
  Top Layer w15: P6.13@7310,2800 7585.08,2800 A2.1@7597.09,2812
  Bottom Layer w10: v1(4293.65,3591.02) 4380.02,3591.02 4391.05,3580 4519.3,3580 4524.76,3585.46 v1(4528.55,3585.46) ; U1.36@4625,3480 v1(4625,3136) 4780,2981 6074,2981 6076,2979 6076,2821 6142,2755 7265,2755 P6.13@7310,2800 ; v1(6030,4150) U3.8@6030,4370
A3: A3.1 P6.15 U1.35 U2.7 U3.7 U4.12 | length 10464.2
  Top Layer w10: U4.12@3010,2870 3010,3072 3049.99,3111.99 4634.94,3111.99 4647.95,3125 v1(4725,3125) ; v1(4325,3537.44) 3772.56,3537.44 3560,3750 3560,4410 3660,4510 4343.98,4510 U2.7@4485,4368.98 4658.98,4195 6100,4195 v1(6110,4185) ; P6.15@7310,2900 7564.08,2900 A3.1@7597.09,2933
  Bottom Layer w10: v1(4325,3537.44) 4328.92,3533.52 4671.48,3533.52 U1.35@4725,3480 ; v1(4725,3125) U1.35@4725,3480 ; v1(6110,4185) 6130,4205 U3.7@6130,4370 ; P6.15@7310,2900 7260,2950 7260,3027 7232,3055 7183,3055 6948,3290 5310,3290 5273,3327 5273,3504 5249.57,3527.43 4772.43,3527.43 U1.35@4725,3480
A4: A4.1 P6.19 U2.6 U3.6 U4.13 | length 9078.1
  Top Layer w10: v1(2162,3185) v1(2398,2949) ; U2.6@4585,4368.98 4738.98,4215 6210,4215 v1(6230,4195) ; P6.19@7310,3100 7551.09,3100 A4.1@7597.09,3054
  Bottom Layer w10: v1(2162,3185) 2162,3604 2345,3787 2345,4105 2394.48,4154.48 2448.52,4154.48 2475,4128 2475,4086 2496,4065 4281.02,4065 U2.6@4585,4368.98 ; v1(2398,2949) 3031,2949 U4.13@3110,2870 ; v1(6230,4195) U3.6@6230,4370 6278,4418 6562,4418 6580,4400 6580,4169 6655.79,4093.21 7056,4093.21 7099.21,4050 7232,4050 7265.52,4016.48 7265.52,3981.57 7302.09,3945 7330,3945 7369.48,3905.52 7369.48,3159.48 P6.19@7310,3100
A5: A5.1 P6.21 U2.5 U3.5 U4.14 | length 9291
  Top Layer w10: U2.5@4685,4368.98 4818.98,4235 6305,4235 v1(6330,4210) ; P6.21@7310,3200 7335,3175 A5.1@7597.09,3175
  Bottom Layer w10: U4.14@3210,2870 3210,2943.26 3112.27,3040.99 2736.01,3040.99 2462,3315 2462,3616 2444,3634 2444,3688.02 2485,3729.02 2485,3955 2571,3955 2655,3871 2798,3871 2879,3952 4268.02,3952 U2.5@4685,4368.98 ; U3.5@6330,4370 v1(6330,4210) 6289,4169 6205,4169 6182,4192 6182,4416 6204,4438 7043,4438 7384.48,4096.52 7384.48,3108.48 7328,3052 7280,3052 7263,3069 7263,3153 P6.21@7310,3200
A6: A6.1 P6.23 U2.4 U3.4 U4.15 | length 9550.4
  Top Layer w10: v1(3156,2784) 3224,2784 U4.15@3310,2870 ; U2.4@4785,4368.98 4898.98,4255 6410,4255 v1(6430,4235) ; v1(6491,4243) 6509,4225 6972,4225 7005,4192 7005,3848 7104,3749 7234,3749 7255,3728 7255,3568 7273,3550 7328,3550 7355,3523 7355,3345 P6.23@7310,3300 7593.09,3300 A6.1@7597.09,3296
  Bottom Layer w10: v1(3156,2784) 3146,2794 3056,2794 3035,2773 3035,2624 3011,2600 2976,2600 2769,2807 2103,2807 2062,2848 2062,3571 2319,3828 2319,4110 2378.48,4169.48 3006.52,4169.48 3048,4128 4322.81,4128 4537,4342.19 4537,4393 4576,4432 4764,4432 4785,4411 U2.4@4785,4368.98 ; v1(6430,4235) 6430,4304 ; U3.4@6430,4370 6430,4304 ; v1(6491,4243) 6430,4304
A7: A7.1 P6.29 U2.3 U3.3 U4.16 | length 11159.3
  Top Layer w10: U2.3@4885,4368.98 4978.98,4275 6505,4275 v1(6530,4250) ; v1(7426,3639) 7597.09,3467.91 A7.1@7597.09,3417 7623,3391.09 v1(7623,2755)
  Top Layer w15: P6.29@7310,3600 7414.09,3600 A7.1@7597.09,3417
  Bottom Layer w10: U4.16@3410,2870 3410,2490 3475,2425 3692,2425 3776,2341 4584,2341 4651,2408 4651,2496 4668,2513 6346,2513 6504,2355 7534,2355 7623,2444 v1(7623,2755) ; U3.3@6530,4370 v1(6530,4250) 6530,4180 6464,4114 6128,4114 6082,4160 6082,4448 6126,4492 7013,4492 7426,4079 v1(7426,3639)
A8: A8.1 P6.31 U2.25 U3.25 U4.17 | length 6000.6
  Top Layer w10: U2.25@4785,3745 4880,3840 v1(6430,3840)
  Top Layer w15: P6.31@7310,3700 7435.09,3700 A8.1@7597.09,3538
  Bottom Layer w10: U4.17@3510,2870 3460,2920 3406,2920 3162,3164 3162,3595 3359.43,3792.43 4018.57,3792.43 4035,3776 4035,3720 4057.43,3697.57 4320,3697.57 4332.43,3710 4332.43,3776 4349.43,3793 4416,3793 4433,3776 4433,3728 4464,3697 4512,3697 4533,3718 4533,3776 4549.43,3792.43 4737.57,3792.43 U2.25@4785,3745 ; v1(6430,3840) U3.25@6430,3746.02 6492.98,3809 7018,3809 7082,3745 7265,3745 P6.31@7310,3700
A9: A9.1 P6.33 U2.24 U3.24 U4.18 | length 5313
  Top Layer w10: U4.18@3610,2870 v1(3699,2781) ; v1(4638,3564) 4638,3698 U2.24@4685,3745 4800,3860 6300,3860 v1(6322,3882) v1(6256,3882) ; v1(7144,3855) 7255,3855 P6.33@7310,3800
  Top Layer w15: P6.33@7310,3800 7456.09,3800 A9.1@7597.09,3659
  Bottom Layer w10: v1(3699,2781) 4007,2781 4198,2972 4198,3337 4170,3365 4170,3508 4223.45,3561.45 4635.45,3561.45 v1(4638,3564) ; v1(6256,3882) 6301,3927 7072,3927 v1(7144,3855) ; v1(6322,3882) 6330,3874 U3.24@6330,3746.02
A10: A10.1 P6.35 U2.21 U3.21 U4.19 | length 5920.5
  Top Layer w10: U2.21@4385,3745 4540,3900 6005.55,3900 v1(6035.08,3929.53) ; P6.35@7310,3900 7340,3870 7490,3870 7571.89,3788.12 7588.97,3788.12 A10.1@7597.09,3780
  Bottom Layer w10: U4.19@3710,2870 3639,2941 3449.97,2941 3262,3128.97 3262,3617 3342,3697 3817.57,3697 3832,3682.57 4336,3682.57 4347.43,3694 4347.43,3707.43 U2.21@4385,3745 ; v1(6035.08,3929.53) 6030,3924.45 U3.21@6030,3746.02 6245.98,3962 7075,3962 7182,3855 7265,3855 P6.35@7310,3900